# Altium PCB jetson_xavier_nx_board.PcbDoc (part 3 of 6)
Units mil, origin at the board's own origin, x right, y up, seen from the top; angles counter-clockwise.
Board outline 3946.89 x 2559.58 mil, 6 copper layers (TOP, L2_GND, L3_PWR, L4_SIG, L5_GND, BOTTOM), stack 47.2 mil thick; 346 components, 315 nets, 1402 pads, 1004 vias.
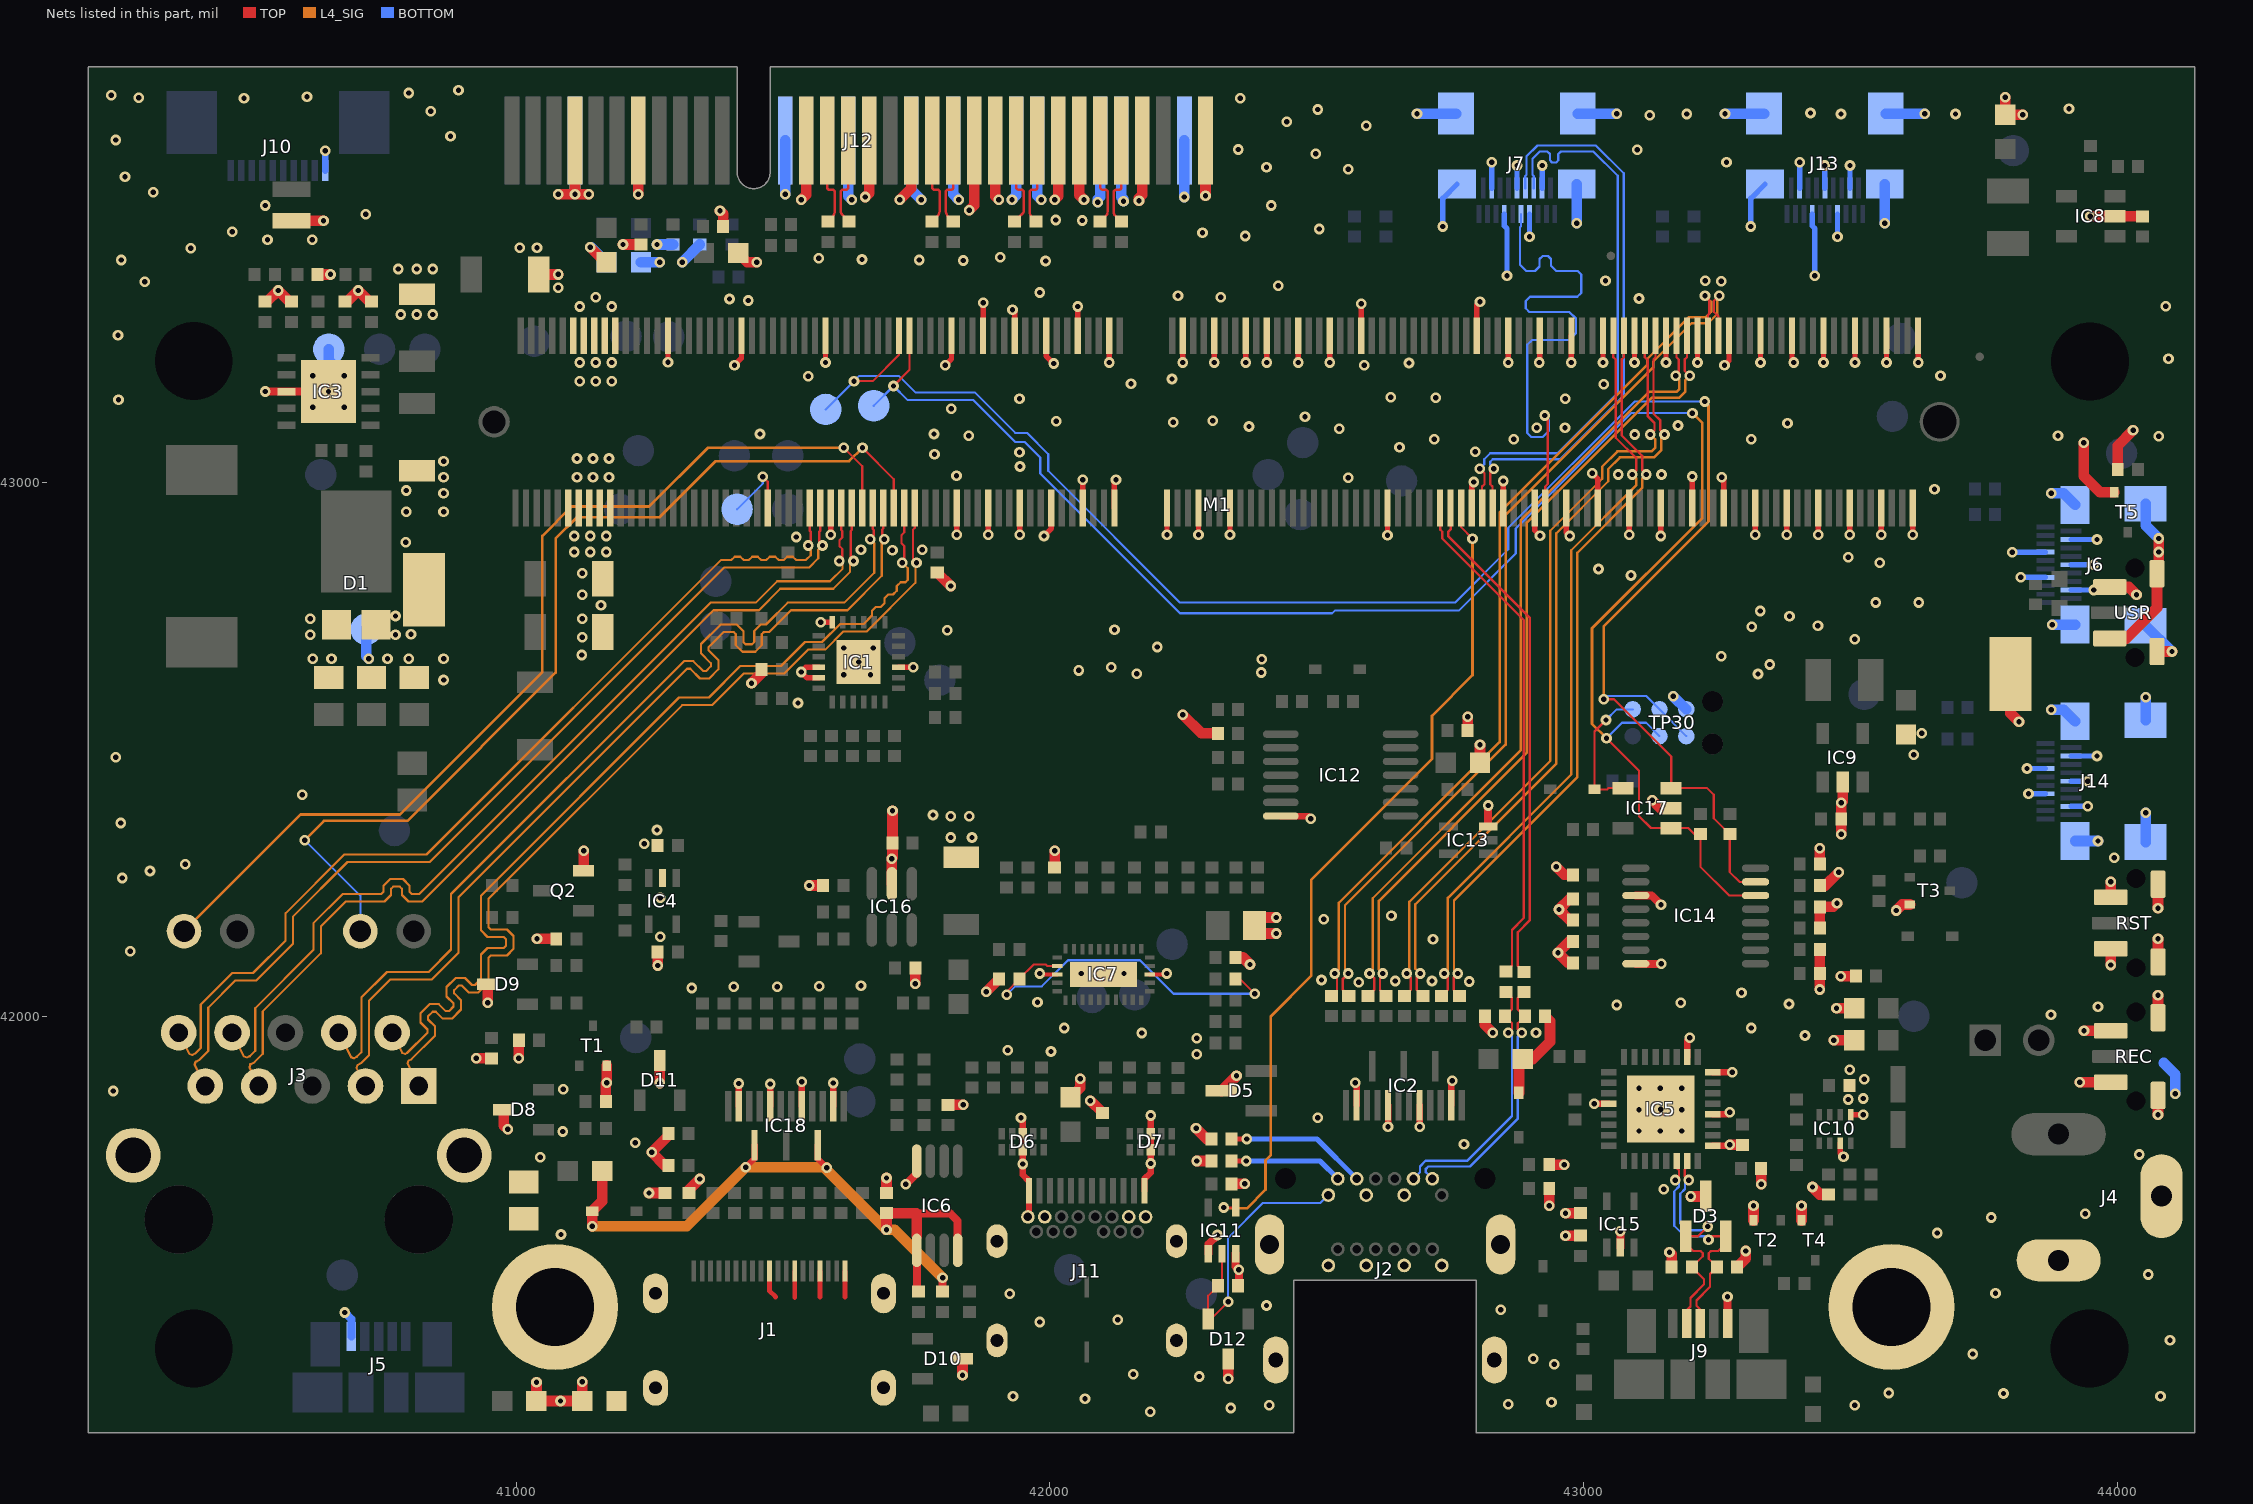
[diagram p7: the nets of this part, all layers, seen from the top]

## Via types
v1: diameter 20, hole 10, TOP to BOTTOM, 999 vias
v2: diameter 23.62, hole 9.84, TOP to BOTTOM, 5 vias

## Nets (pads, with @x,y where several pads share a name; then routed paths per layer and width w, separated by ;. In a path a pad name is that pad's centre, name@x,y a point inside that pad or via, vN(x,y) a via of type N, cw(c..) or ccw(c..) an arc to the next point about the centre after c; other vN are vias at no path point) (continued)
CSI_G_D0_P: J7.9 M1.72 | length 1066.5
  TOP w4.2: v1(42927,43126) 42927,43125.32 v1@42932.11,43120.21 ; M1.72@42927.87,42952.76 42927.87,42993.04 42932.62,42997.79 42932.62,43119.41 v1@42932.11,43119.92
  BOTTOM w4.2: J7.9@42882.87,43503.78 42882.87,43481.07 42880.6,43478.8 42880.6,43408.77 42892.34,43397.03 42908.84,43397.03 42917.32,43405.51 42917.32,43419.29 42923.23,43425.2 42933.07,43425.2 42938.98,43419.29 42938.98,43406.87 42948.82,43397.03 42988.8,43397.03 42995.41,43390.42 42995.41,43355.64 42988.19,43348.43 42899.7,43348.43 42891.73,43340.46 42891.73,43326.86 42898.34,43320.26 42973.14,43320.26 42985.61,43307.79 42985.61,43280.89 42972.44,43267.72 42903.54,43267.72 42894.5,43258.68 42894.5,43093.5 42902,43086 42923.16,43086 42934.62,43097.46 42934.62,43117.7 42927,43125.32 v1(42927,43126)
CSI_G_D1_N: J7.8 M1.82 | length 1084.5
  TOP w4.2: M1.82@42829.45,42952.76 42829.44,42993.04 42825.2,42997.28 42825.2,43019.85 v1(42831.82,43026.47)
  BOTTOM w4.2: v1(42831.82,43026.47) 42824.79,43033.5 42824.79,43039.44 42829.62,43044.27 42955.27,43044.27 43075,43164 43075,43579.84 43022.64,43632.2 42913.36,43632.2 42893.12,43611.76 ; J7.8@42890.75,43552.01 42890.75,43574.72 42893.03,43576.99 42893.03,43611.76
CSI_G_D1_P: J7.6 M1.84 | length 1079.9
  TOP w4.2: v1(42805.32,43026.47) 42814.1,43017.69 42814.1,42997.38 42809.76,42993.04 M1.84@42809.76,42952.76
  BOTTOM w4.2: v1(42805.32,43026.47) 42813.59,43034.74 42813.59,43044.08 42824.98,43055.47 42950.63,43055.47 43063.8,43168.64 43063.8,43575.2 43018,43621 42957.39,43621 42952.53,43616.14 42952.53,43604.33 42948.59,43600.39 42940.72,43600.39 42936.78,43604.33 42936.78,43616.14 42931.92,43621 42918,43621 42904.12,43607.12 ; 42904.22,43607.12 42904.22,43576.99 42906.5,43574.72 J7.6@42906.5,43552.01
D_PCIE0_TX0_N: C86.1 J12.B15 | length 168.4
  TOP w4.5: J12.B15@41622.01,43641.26 41622.01,43553.59 cw(c41617.51,43553.59) 41617.51,43549.09 41612.32,43549.09 ccw(c41612.32,43544.59) 41607.82,43544.59 41607.82,43509.71 ccw(c41618.06,43509.71) 41610.82,43502.47 41623.82,43489.47 C86.1@41623.82,43489.37
D_PCIE0_TX0_P: C81.1 J12.B14 | length 166.9
  TOP w4.5: J12.B14@41582.64,43641.26 41582.64,43553.59 ccw(c41587.14,43553.59) 41587.14,43549.09 41592.32,43549.09 cw(c41592.32,43544.59) 41596.82,43544.59 41596.82,43509.47 cw(c41579.68,43509.47) 41591.8,43497.35 C81.1@41583.82,43489.37
D_PCIE0_TX1_N: C88.1 J12.B20 | length 167.3
  TOP w4.5: C88.1@41818.82,43489.38 41809.59,43498.6 cw(c41821.46,43510.46) 41804.68,43510.47 41804.68,43544.59 cw(c41809.18,43544.59) 41809.18,43549.09 41814.37,43549.09 ccw(c41814.37,43553.59) 41818.87,43553.59 J12.B20@41818.86,43641.26
D_PCIE0_TX1_P: C87.1 J12.B19 | length 167.6
  TOP w4.5: C87.1@41778.81,43489.37 41788.57,43499.13 ccw(c41776.23,43511.47) 41793.68,43511.47 41793.68,43544.59 ccw(c41789.18,43544.59) 41789.18,43549.09 41784,43549.09 cw(c41784,43553.59) 41779.5,43553.59 J12.B19@41779.49,43641.26
D_PCIE0_TX2_N: C90.1 J12.B24 | length 166.4
  TOP w4.5: C90.1@41973.82,43489.37 41966.71,43496.47 cw(c41977.71,43507.46) 41962.16,43507.47 41962.16,43544.59 cw(c41966.66,43544.59) 41966.66,43549.09 41971.85,43549.09 ccw(c41971.85,43553.59) 41976.35,43553.59 J12.B24@41976.35,43641.26
D_PCIE0_TX2_P: C89.1 J12.B23 | length 168.9
  TOP w4.5: C89.1@41933.81,43489.37 41947.86,43503.42 ccw(c41939.89,43511.39) 41951.16,43511.39 41951.16,43544.59 ccw(c41946.66,43544.59) 41946.66,43549.09 41941.48,43549.09 cw(c41941.48,43553.59) 41936.98,43553.59 J12.B23@41936.97,43641.26
D_PCIE0_TX3_N: C96.1 J12.B28 | length 167.9
  TOP w4.5: C96.1@42133.82,43489.37 42121.45,43501.59 cw(c42125.72,43505.92) 42119.64,43505.92 42119.64,43544.59 cw(c42124.14,43544.59) 42124.14,43549.09 42129.33,43549.09 ccw(c42129.33,43553.59) 42133.83,43553.59 J12.B28@42133.82,43641.26
D_PCIE0_TX3_P: C95.1 J12.B27 | length 167.9
  TOP w4.5: C95.1@42093.82,43489.37 42106.5,43502.05 ccw(c42103.31,43505.24) 42107.82,43505.24 42108.64,43509.81 42108.64,43544.59 ccw(c42104.14,43544.59) 42104.14,43549.09 42098.96,43549.09 cw(c42098.96,43553.59) 42094.46,43553.59 J12.B27@42094.45,43641.26
DBG_USB_D_N: C29.2 D3.1 IC5.15 J9.2 | length 449.8
  TOP w4.2: J9.2@43192.88,41427.67 43192.88,41449.53 43200.07,41456.72 43200.07,41472.56 43225.62,41498.11 43225.62,41507.58 C29.2@43202.73,41530.47 43223.23,41550.97 43223.23,41556.27 43219.03,41560.47 43205.63,41560.47 43191.43,41574.67 D3.1@43191.43,41588.07 43214.42,41588.07 v1(43232.82,41606.47) ; IC5.15@43193.89,41729.03 43193.89,41717.55 43189.65,41713.31 43189.65,41700.64 v1(43196.82,41693.47)
  BOTTOM w4.2: v1(43196.82,41693.47) 43189.96,41686.61 43189.96,41676.61 43181.02,41667.67 43181.02,41612.55 43194.1,41599.47 43225.82,41599.47 v1(43232.82,41606.47)
DBG_USB_D_P: C15.2 D3.2 IC5.14 J9.3 | length 449.1
  TOP w4.2: v1(43171.9,41693.47) 43178.45,41700.02 43178.45,41711.83 43174.21,41716.07 IC5.14@43174.21,41729.03 ; J9.3@43218.47,41427.67 43218.47,41450.82 43211.27,41458.02 43211.27,41467.92 43236.82,41493.47 43236.82,41517.38 C15.2@43249.91,41530.47 43234.43,41545.95 43234.43,41556.27 43238.63,41560.47 43252.03,41560.47 43266.23,41574.67 D3.2@43266.23,41588.07 43240.42,41588.07 v1(43233.82,41581.47)
  BOTTOM w4.2: v1(43171.9,41693.47) 43178.76,41686.61 43178.76,41681.25 43169.82,41672.31 43169.82,41607.91 43189.46,41588.27 43227.02,41588.27 v1(43233.82,41581.47)
DP_CEC: J2.6 R32.2 | length 265.1
  TOP w10: R32.2@42340.58,41770.47 v1(42368.82,41770.47)
  BOTTOM w10: v1(42368.82,41770.47) 42500.28,41770.47 J2.6@42574.84,41695.91
DP_HPD: IC11.4 M1.88 | length 1562.9
  TOP w4: v1(42325.43,41642.08) IC11.4@42347.86,41642.08 ; M1.88@42770.39,42952.76 42770.39,42916.9 v1(42791.82,42895.47)
  L4_SIG w5: v1(42325.43,41642.08) 42327.04,41640.47 42368.82,41640.47 42403.82,41675.47 42403.82,41730.47 42413.82,41740.47 42413.82,42000.47 42489.82,42076.47 42489.82,42256.47 42715.82,42482.47 42715.82,42563.47 42791.82,42639.47 v1(42791.82,42895.47)
DP_HPD_IN: D12.2 IC11.2 J2.2 R100.2 | length 525.2
  TOP w4: IC11.2@42322.27,41555.47 42322.27,41502.82 R100.2@42314.92,41495.47 42296.42,41476.97 D12.2@42296.42,41432.87 42301.22,41432.87 v1(42333.82,41465.47)
  BOTTOM w4: v1(42333.82,41465.47) 42333.82,41585.47 42398.82,41650.47 42506.76,41650.47 J2.2@42521.69,41665.4
DP_MODE: J2.4 R31.2 | length 212.6
  TOP w10: R31.2@42340.58,41729.22 v1(42367.57,41729.22)
  BOTTOM w10: v1(42367.57,41729.22) 42506.1,41729.22 J2.4@42539.41,41695.91
DP_PWR: D2.A L10.2 R26.2 | length 182.3
  TOP w20: D2.A@42878.82,41857.01 42878.82,41913.38 L10.2@42885.91,41920.47 42904.83,41920.47 42936.82,41952.46 42936.82,41991.37 R26.2@42927.72,42000.47
EDP0_TX_N: C40.1 M1.39 | length 1714.3
  TOP w4.5: v1(42558.82,42080.47) 42548.82,42070.47 42548.82,42049.68 C40.1@42559.87,42038.63 ; M1.39@43252.67,43275.59 43252.67,43311.63 43243.82,43320.48 43243.82,43340.47 v1(43253.82,43350.47)
  L4_SIG w4.6: v1(42558.82,42080.47) 42552.82,42086.47 42552.82,42208.35 42853.82,42509.35 42853.82,42939.35 43130.22,43215.75 43130.22,43226.86 43202.43,43299.07 43233.55,43299.07 43250.22,43315.74 43250.22,43346.87 v1(43253.82,43350.47)
EDP0_TX_P: C39.1 M1.41 | length 1711.9
  TOP w4.5: C39.1@42527.47,42038.63 42537.82,42048.98 42537.82,42076.55 v1(42533.9,42080.47) ; v1(43227.32,43350.47) 43235.32,43342.47 43235.32,43316.95 43232.99,43314.62 M1.41@43232.99,43275.59
  L4_SIG w4.6: v1(42533.9,42080.47) 42541.42,42087.99 42541.42,42213.08 42842.42,42514.08 42842.42,42944.08 43118.82,43220.48 43118.82,43231.59 43197.7,43310.47 43228.82,43310.47 43238.82,43320.47 43238.82,43338.97 v1(43227.32,43350.47)
EDP1_TX_N: C43.1 M1.45 | length 1524.3
  TOP w4.5: v1(42623.82,42080.47) 42618.39,42075.04 42618.39,42049.92 C43.1@42629.68,42038.63 ; M1.45@43193.62,43275.59 43193.62,43235.31 43189.27,43230.96 43189.27,43210.02 v1(43198.82,43200.47)
  L4_SIG w4.6: v1(42623.82,42080.47) 42616.22,42088.07 42616.22,42216.75 42893.82,42494.35 42893.82,42925.47 43127.42,43159.07 43178.95,43159.07 43190.22,43170.34 43190.22,43191.87 v1(43198.82,43200.47)
EDP1_TX_P: C42.1 M1.47 | length 1522.5
  TOP w4.5: C42.1@42596.11,42038.63 42607.39,42049.91 42607.39,42071.98 v1(42598.9,42080.47) ; v1(43172.32,43200.47) 43178.27,43206.42 43178.27,43230.96 43173.93,43235.3 M1.47@43173.93,43275.59
  L4_SIG w4.6: v1(42598.9,42080.47) 42604.82,42086.39 42604.82,42221.48 42882.42,42499.08 42882.42,42930.2 43122.69,43170.47 43174.22,43170.47 43178.82,43175.07 43178.82,43193.97 v1(43172.32,43200.47)
EDP2_TX_N: C7.1 M1.51 | length 1489.1
  TOP w4.5: v1(42693.74,42080.47) 42687.21,42073.94 42687.21,42050.16 C7.1@42698.74,42038.63 ; M1.51@43134.56,43275.59 43134.56,43235.31 43130.82,43231.57 43130.82,43129.46 43143.82,43116.46 43143.82,43098.22 v1(43151.57,43090.47)
  L4_SIG w4.6: v1(42693.74,42080.47) 42684.82,42089.39 42684.82,42210.35 42948.82,42474.35 42948.82,42905.47 43046.22,43002.87 43046.22,43025.74 43067.95,43047.47 43131.95,43047.47 43145.22,43060.74 43145.22,43084.12 v1(43151.57,43090.47)
EDP2_TX_P: C6.1 M1.53 | length 1489.2
  TOP w4.5: C6.1@42664.69,42038.63 42676.21,42050.15 42676.21,42073.08 v1(42668.82,42080.47) ; M1.53@43114.88,43275.59 43114.88,43235.31 43119.82,43230.37 43119.82,43124.9 43132.82,43111.9 43132.82,43098.22 v1(43125.07,43090.47)
  L4_SIG w4.6: v1(42668.82,42080.47) 42673.42,42085.07 42673.42,42215.08 42937.42,42479.08 42937.42,42910.2 43034.82,43007.6 43034.82,43030.47 43063.22,43058.87 43127.22,43058.87 43133.82,43065.47 43133.82,43081.72 v1(43125.07,43090.47)
EDP3_TX_N: C12.1 M1.57 | length 1417.9
  TOP w4.5: v1(42763.82,42080.47) 42756.37,42073.02 42756.37,42050.04 C12.1@42767.78,42038.63 ; M1.57@43075.51,43275.59 43075.51,43235.31 43071.16,43230.96 43071.16,43089.13 43109.82,43050.47 43109.82,43023.22 v1(43117.57,43015.47)
  L4_SIG w4.6: v1(42763.82,42080.47) 42757.06,42087.23 42757.06,42217.59 42988.22,42448.75 42988.22,42868.87 43110.22,42990.87 43110.22,43008.12 v1(43117.57,43015.47)
EDP3_TX_P: C8.1 M1.59 | length 1417.7
  TOP w4.5: C8.1@42733.97,42038.63 42745.37,42050.03 42745.37,42074 v1(42738.9,42080.47) ; M1.59@43055.82,43275.59 43055.82,43235.3 43060.16,43230.96 43060.16,43084.57 43098.82,43045.91 43098.82,43023.22 v1(43091.07,43015.47)
  L4_SIG w4.6: v1(42738.9,42080.47) 42745.66,42087.23 42745.66,42222.32 42976.82,42453.48 42976.82,42873.6 43098.82,42995.6 43098.82,43007.72 v1(43091.07,43015.47)
EDP_AUX_C_N: C45.2 J2.18 R26.1 | length 493.8
  TOP w4.5: v1(42883.74,41969.47) 42876.82,41976.39 42876.82,41987.37 R26.1@42889.92,42000.47 42876.32,42014.07 42876.41,42034.69 C45.2@42887.82,42045.97
  BOTTOM w4.5: J2.18@42716.57,41695.91 42704.35,41708.13 42704.35,41714.5 42708.85,41719 42786.91,41719 42876.78,41808.87 42876.78,41962.51 v1(42883.74,41969.47)
EDP_AUX_C_P: C44.2 J2.16 R30.2 | length 493.5
  TOP w4.5: C44.2@42854.19,42046.15 42865.38,42034.85 42865.4,42034.79 42865.34,42019.28 42865.31,42013.2 42865.31,42013.06 R30.2@42852.72,42000.47 42865.82,41987.37 42865.82,41976.47 v1(42858.82,41969.47)
  BOTTOM w4.5: J2.16@42681.14,41695.91 42693.35,41708.12 42693.35,41719.06 42704.29,41730 42782.35,41730 42865.78,41813.43 42865.78,41962.51 v1(42858.82,41969.47)
EDP_AUX_N: C45.1 M1.90 | length 947.9
  TOP w4.5: M1.90@42750.71,42952.76 42750.7,42912.48 42746.11,42907.89 42746.11,42900.18 42898.82,42747.47 42898.82,42179.91 42876.69,42157.78 42876.69,42094.9 C45.1@42887.82,42083.77
EDP_AUX_P: C44.1 M1.92 | length 947.7
  TOP w4.5: M1.92@42731.02,42952.76 42731.02,42912.48 42735.11,42908.39 42735.11,42895.62 42887.82,42742.91 42887.82,42184.47 42865.69,42162.34 42865.69,42095.45 C44.1@42854.19,42083.95
EEPROM_PWR: D15.C IC17.4 TP30.1 | length 251.5
  TOP w4: v1(43041.82,42555.47) 43020.36,42534.01 D15.C@43020.36,42425.47 43043.83,42425.47 43046.22,42427.86 IC17.4@43073.54,42427.86
  BOTTOM w4: v1(43041.82,42555.47) 43061.92,42575.57 TP30.1@43091.92,42575.57
EGND: C14.1 J3.S SP4.1
EN_MUX: IC7.12 R56.2 R68.1 | length 688.3
  TOP w4: v1(41918.82,42040.47) 41918.82,42046.57 R56.2@41942.72,42070.47 41969.72,42097.47 41991.82,42097.47 41994.8,42094.49 IC7.12@42013.5,42094.49 ; R68.1@42347.73,42070.48 42355.81,42070.48 v1(42383.64,42042.64)
  BOTTOM w4: v1(41918.82,42040.47) 41934.82,42056.47 41984.82,42056.47 42033.82,42105.47 42168.82,42105.47 42231.64,42042.64 v1(42383.64,42042.64)
ENET_LED0: J3.14 M1.194 | length 1887.8
  TOP w4: v1(41613.82,43065.47) 41648.34,43030.95 M1.194@41648.34,42952.76
  L4_SIG w5: J3.14@40377.49,42159.85 40596.11,42378.47 40781.82,42378.47 41048.82,42645.47 41048.82,42900.47 41103.82,42955.47 41248.82,42955.47 41358.82,43065.47 v1(41613.82,43065.47)
ENET_LED1: J3.12 M1.188 | length 1847.1
  TOP w4: v1(41648.82,43065.47) 41707.4,43006.89 M1.188@41707.4,42952.76
  L4_SIG w5: v1(40603.82,42330.47) 40639.82,42366.47 40795.82,42366.47 41073.82,42644.47 41073.82,42895.47 41113.82,42935.47 41268.81,42935.47 41373.81,43040.47 41623.82,43040.47 v1(41648.82,43065.47)
  BOTTOM w4: v1(40603.82,42330.47) 40707.8,42226.49 J3.12@40707.81,42159.85
ENET_TRD0_N: J3.1 M1.184 | length 1785.4
  TOP w4.1: M1.184@41746.77,42952.76 41746.77,42915.42 41743.18,42911.83 41743.18,42857.11 v1(41749.82,42850.47)
  L4_SIG w4.1: J3.1@40817.49,41869.69 40796.47,41911.73 40798.31,41917.23 40803.5,41919.81 40847.64,41963.96 40847.64,41981.46 40834.59,41994.51 40834.59,42000.27 40843.35,42009.03 40849.11,42009.03 40862.16,41995.98 40879.66,41995.98 40896.61,42012.93 40896.61,42030.43 40883.56,42043.48 40883.56,42049.24 40892.32,42058 40898.08,42058 40911.14,42044.94 40928.63,42044.94 40947.92,42064.23 40947.92,42110.32 40952.02,42114.42 40982.57,42114.42 40994.92,42126.77 40994.92,42150.77 40982.57,42163.12 40952.02,42163.12 40947.92,42167.22 40947.92,42220.62 41310.77,42583.47 41366.82,42583.47 41425.82,42642.47 41501.78,42642.47 41546.78,42687.47 41578.81,42687.47 41612.71,42721.37 41656.71,42721.37 41747.82,42812.48 41747.82,42848.47 v1(41749.82,42850.47)
ENET_TRD0_P: J3.2 M1.186 | length 1785.7
  TOP w4.1: v1(41723.32,42850.47) 41727.08,42854.23 41727.08,42881.49 41721.82,42886.75 41721.82,42901.99 41727.08,42907.25 M1.186@41727.08,42952.76
  L4_SIG w4.1: J3.2@40767.49,41969.69 40786.5,41931.67 40792,41929.85 40795.15,41931.42 40833.54,41969.81 40833.54,41975.61 40820.49,41988.66 40820.49,42006.12 40837.5,42023.13 40854.96,42023.13 40868.01,42010.08 40873.81,42010.08 40882.51,42018.78 40882.51,42024.58 40869.46,42037.63 40869.46,42055.09 40886.47,42072.1 40903.93,42072.1 40916.99,42059.04 40922.78,42059.04 40933.82,42070.08 40933.82,42116.17 40946.17,42128.52 40976.72,42128.52 40980.82,42132.62 40980.82,42144.92 40976.72,42149.02 40946.17,42149.02 40933.82,42161.37 40933.82,42226.47 41304.92,42597.57 41360.97,42597.57 41419.97,42656.57 41495.93,42656.57 41540.93,42701.57 41572.96,42701.57 41606.86,42735.47 41650.86,42735.47 41666.69,42751.3 41666.69,42760.34 41673.77,42767.42 41682.81,42767.42 41689.89,42774.5 41689.89,42783.54 41696.97,42790.62 41706.01,42790.62 41713.09,42797.7 41713.09,42806.74 41720.17,42813.82 41729.21,42813.82 41733.72,42818.33 41733.72,42840.07 v1(41723.32,42850.47)
ENET_TRD1_N: J3.3 M1.190 | length 1778.1
  TOP w4.1: M1.190@41687.71,42952.76 41687.71,42914.36 41685.92,42912.57 41685.92,42898.37 v1(41689.82,42894.47)
  L4_SIG w4.1: J3.3@40717.49,41869.69 40700.48,41903.71 40702.32,41909.21 40709.55,41912.82 40723.92,41927.19 40723.92,42029.62 40763.67,42069.37 40841.67,42069.37 40891.92,42119.62 40891.92,42223.58 41320.07,42651.73 41325.86,42651.73 41344.23,42633.36 41361.69,42633.36 41378.7,42650.37 41378.7,42667.83 41360.32,42686.2 41360.32,42691.98 41388.81,42720.47 41407.33,42720.47 41411.43,42716.37 41411.43,42695.82 41423.78,42683.47 41447.78,42683.47 41460.13,42695.82 41460.13,42716.37 41464.23,42720.47 41473.77,42720.47 41514.67,42761.37 41620.67,42761.37 41684.92,42825.62 41684.92,42889.57 v1(41689.82,42894.47)
ENET_TRD1_P: J3.4 M1.192 | length 1777.5
  TOP w4.1: v1(41663.32,42894.47) 41669.87,42901.02 41669.87,42911.42 41668.03,42913.26 M1.192@41668.03,42952.76
  L4_SIG w4.1: J3.4@40667.49,41969.69 40690.51,41923.65 40696.01,41921.83 40701.2,41924.42 40709.82,41933.04 40709.82,42035.47 40757.82,42083.47 40835.82,42083.47 40877.82,42125.47 40877.82,42229.43 41314.22,42665.83 41331.71,42665.83 41350.08,42647.46 41355.84,42647.46 41364.6,42656.22 41364.6,42661.98 41346.22,42680.35 41346.22,42697.83 41382.96,42734.57 41413.18,42734.57 41425.53,42722.22 41425.53,42701.67 41429.63,42697.57 41441.93,42697.57 41446.03,42701.67 41446.03,42722.22 41458.38,42734.57 41467.92,42734.57 41508.82,42775.47 41614.82,42775.47 41670.82,42831.47 41670.82,42886.97 v1(41663.32,42894.47)
ENET_TRD2_N: J3.7 M1.196 | length 1788
  TOP w4.1: M1.196@41628.66,42952.76 41628.66,42911.32 41626.86,42909.52 41626.86,42858.43 v1(41631.82,42853.47)
  L4_SIG w4.1: J3.7@40517.49,41869.69 40499.88,41904.91 40501.72,41910.41 40508.95,41914.02 40524.92,41929.99 40524.92,42009.62 40633.92,42118.62 40633.92,42168.62 40680.77,42215.47 40753.02,42215.47 40765.37,42227.82 40765.37,42239.27 40769.47,42243.37 40781.77,42243.37 40785.87,42239.27 40785.87,42227.82 40798.22,42215.47 40823.81,42215.47 41369.71,42761.37 41454.67,42761.37 41494.77,42801.47 41593.82,42801.47 41625.62,42833.27 41625.62,42847.27 v1(41631.82,42853.47)
ENET_TRD2_P: J3.8 M1.198 | length 1787.7
  TOP w4.1: v1(41605.32,42853.47) 41606.71,42853.47 41610.81,42857.57 41610.81,42876.2 41605.82,42881.19 41605.82,42892.6 41610.81,42897.59 41610.81,42909.48 41608.97,42911.32 M1.198@41608.97,42952.76
  L4_SIG w4.1: J3.8@40467.49,41969.69 40489.91,41924.85 40495.41,41923.03 40500.6,41925.62 40510.82,41935.84 40510.82,42015.47 40619.82,42124.47 40619.82,42174.47 40674.92,42229.57 40747.17,42229.57 40751.27,42233.67 40751.27,42245.12 40763.62,42257.47 40787.62,42257.47 40799.97,42245.12 40799.97,42233.67 40804.07,42229.57 40817.96,42229.57 41363.86,42775.47 41448.82,42775.47 41488.92,42815.57 41587.97,42815.57 41611.52,42839.12 41611.52,42847.27 v1(41605.32,42853.47)
ENET_TRD3_N: J3.9 M1.202 | length 1785.5
  TOP w4.1: M1.202@41569.6,42952.76 41569.6,42910.32 41567.81,42908.53 41567.81,42888.48 v1(41573.82,42882.47)
  L4_SIG w4.1: J3.9@40417.49,41869.69 40397.48,41909.71 40399.32,41915.21 40406.55,41918.82 40422.92,41935.19 40422.92,42016.62 40473.67,42067.37 40512.67,42067.37 40581.92,42136.62 40581.92,42187.62 40683.77,42289.47 40837.78,42289.47 41389.78,42841.47 41548.77,42841.47 41565.82,42858.52 41565.82,42874.47 v1(41573.82,42882.47)